# Altium PCB ThereMightBeNoise.PcbDoc (part 3 of 3)
Units mm, origin at the board's own origin, x right, y up, seen from the top; angles counter-clockwise.
Board outline 100.8 x 115.2 mm, 4 copper layers (Top Layer, Int1 (GND), Int2 (PWR), Bottom Layer), stack 1.056 mm thick; 250 components, 185 nets, 859 pads, 1257 vias.
Unrouted connection lines stored in the file: 297.
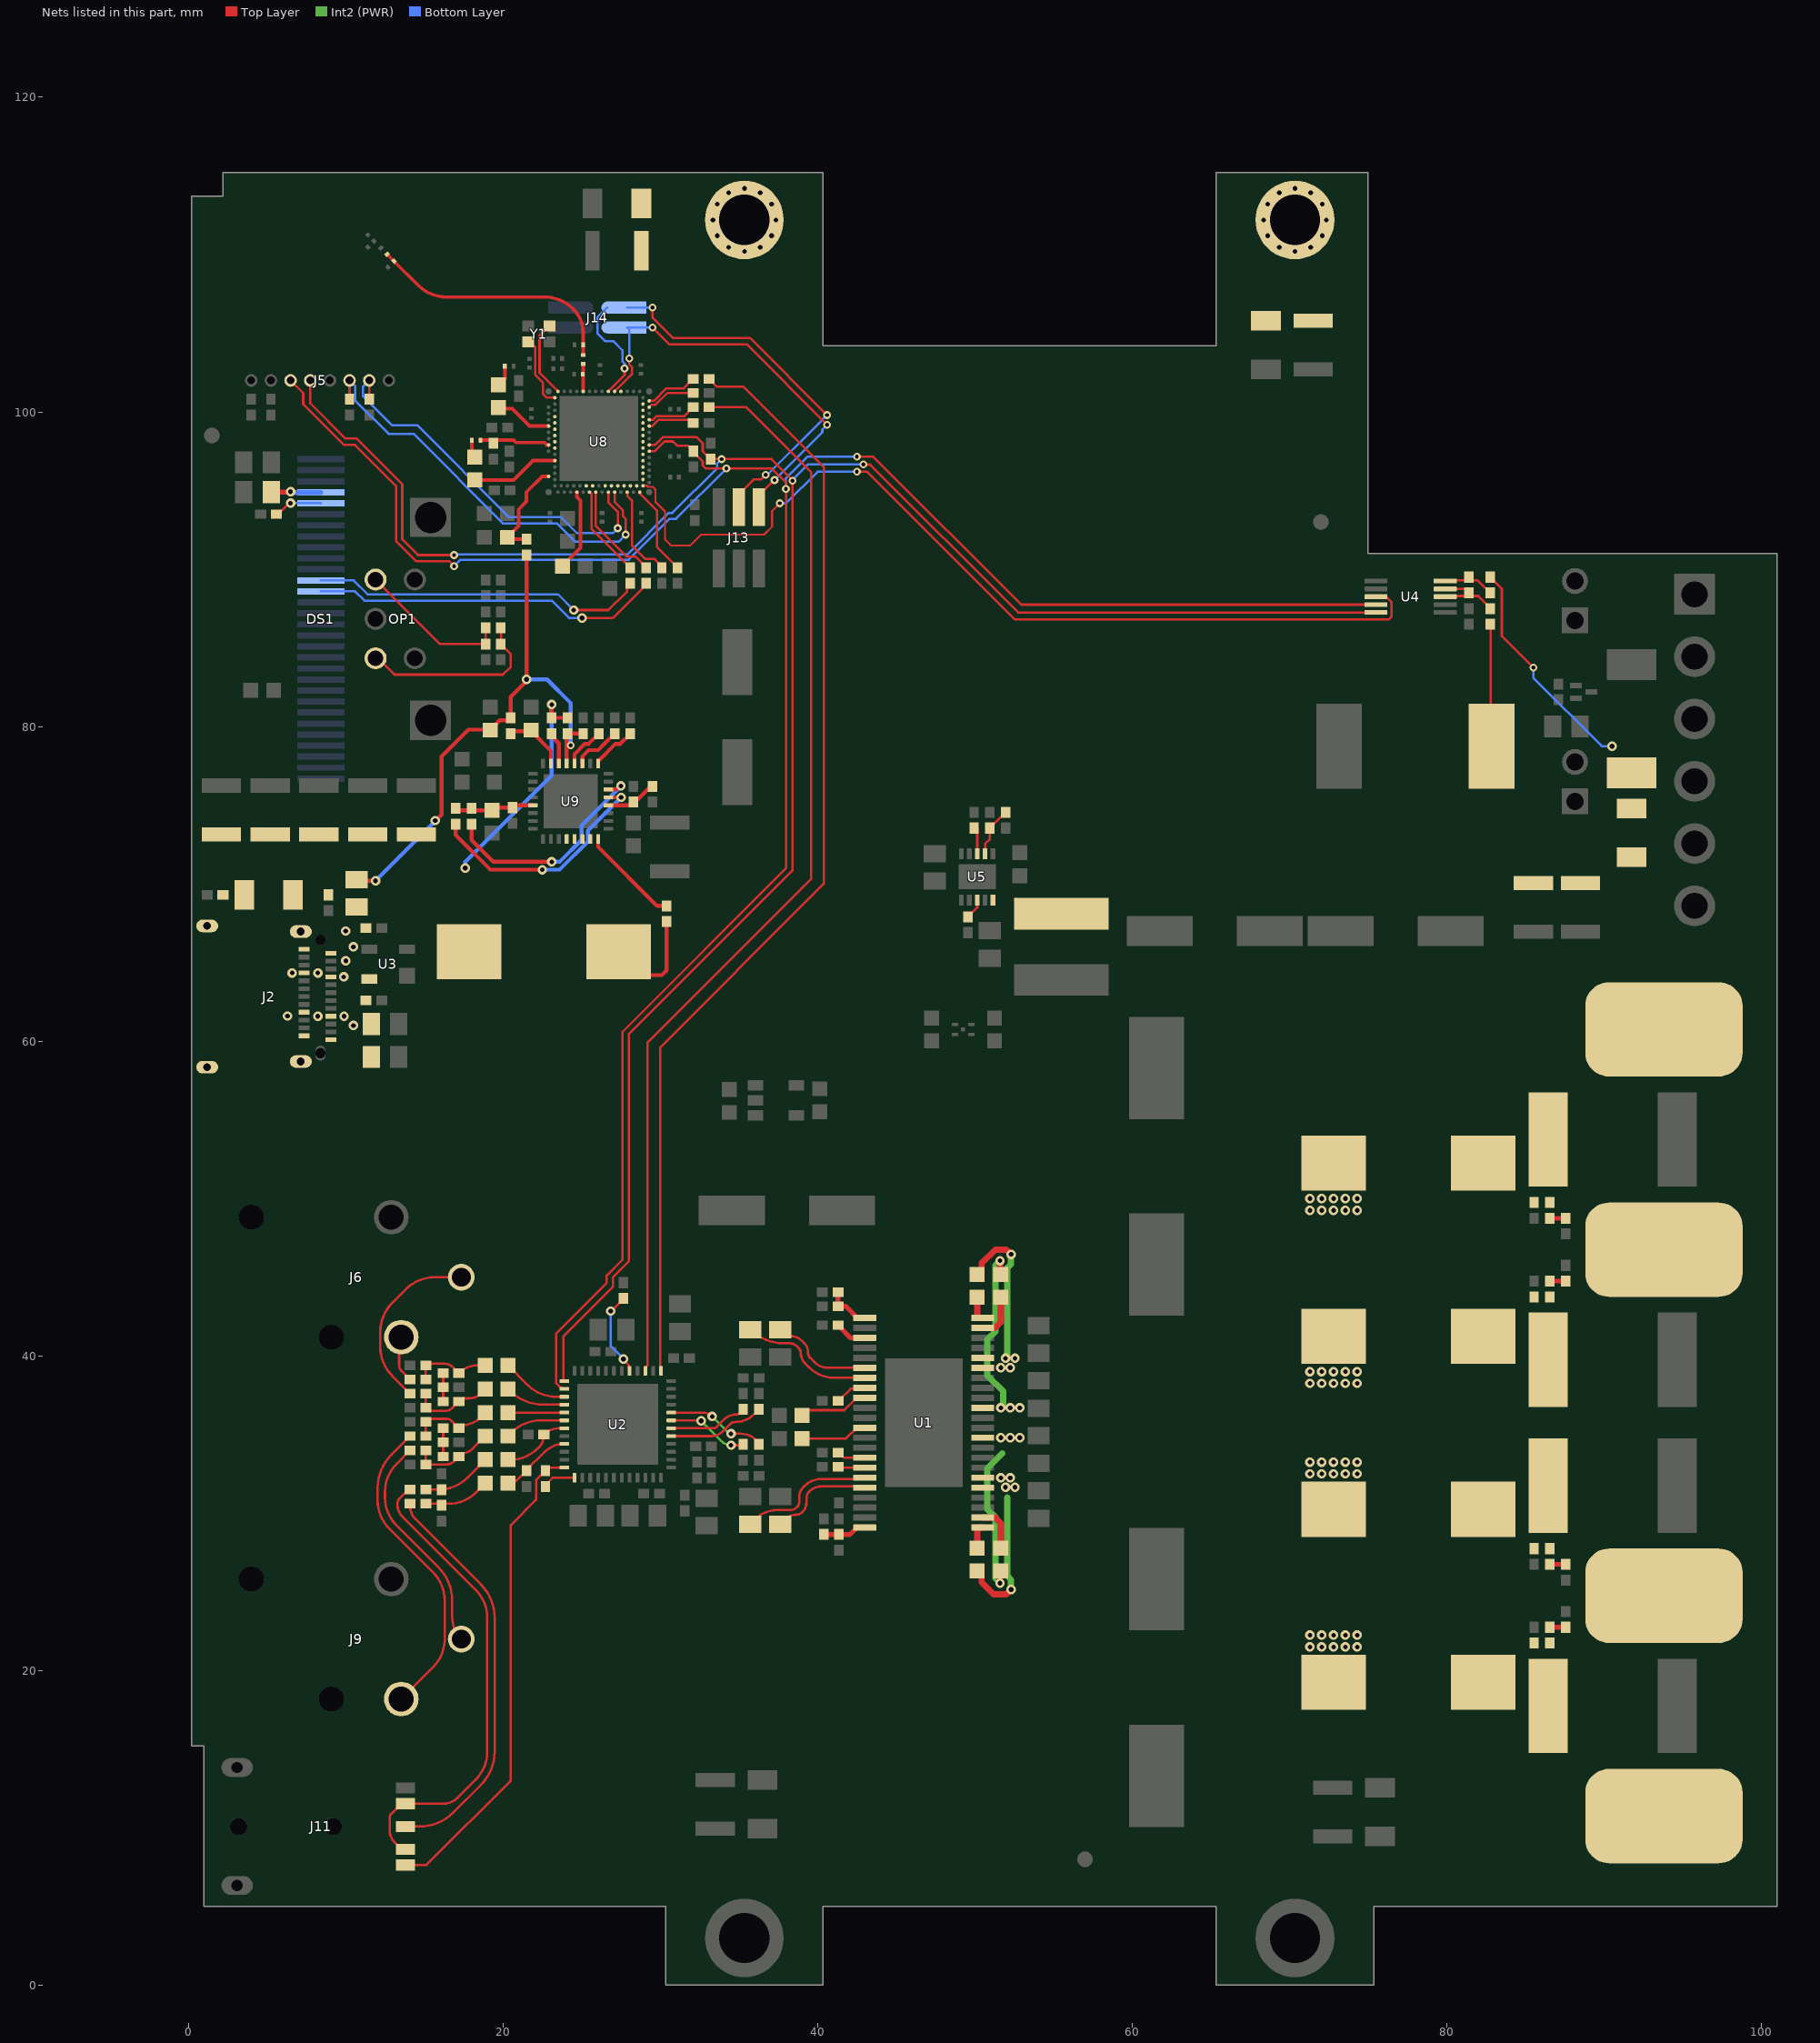
[diagram p5: the nets of this part, all layers, seen from the top]

## Via types
v1: diameter 0.6, hole 0.3, Top Layer to Bottom Layer, tented both sides, 1048 vias
v2: diameter 0.6, hole 0.3, Top Layer to Bottom Layer, 94 vias
v3: diameter 0.5, hole 0.25, Top Layer to Bottom Layer, tented both sides, 69 vias
v4: diameter 0.6, hole 0.3, Top Layer to Bottom Layer, tented top, 30 vias
v5: diameter 0.6, hole 0.3, Top Layer to Bottom Layer, tented bottom, 16 vias

## Nets (pads, with @x,y where several pads share a name; then routed paths per layer and width w, separated by ;. In a path a pad name is that pad's centre, name@x,y a point inside that pad or via, vN(x,y) a via of type N, cw(c..) or ccw(c..) an arc to the next point about the centre after c; other vN are vias at no path point) (continued)
GND_Chassis2: C69.1 pad.0@70.35,112.2 R31.1
  other v2: 70.35,110.2 69.35,110.468 71.35,110.468 68.618,111.2 72.082,111.2 68.35,112.2 72.35,112.2 68.618,113.2 72.082,113.2 69.35,113.932 71.35,113.932 70.35,114.2
GND_Chassis3: C70.1 pad.0@35.35,112.2 R32.1
  other v2: 35.35,110.2 34.35,110.468 36.35,110.468 33.618,111.2 37.082,111.2 33.35,112.2 37.35,112.2 33.618,113.2 37.082,113.2 34.35,113.932 36.35,113.932 35.35,114.2
I2C.SCL: J5.5 R48.1 U2.1 U4.5 U8.AL15 | length 151.8
  Top Layer w0.15: J5.5@7.75,102 7.75,100.55 10,98.3 10.7,98.3 13.6,95.4 13.6,91.9 14.6,90.9 v3(16.899,90.9) ; U2.1@23.9,38.4 23.85,38.45 23.85,41.25 27,44.4 27,45 28,46 28,60.434 38.4,70.834 v3(38.399,95.623) ; U8.AL15@29.3,97.9 29.675,97.9 29.857,98.082 30.175,98.4 30.875,98.4 32.3,98.4 32.7,98 32.7,97.5 R48.1@33.2,97 v3(33.9,97) 37.066,97 v3@38.4,95.666 ; v3(42.917,96.669) 42.9,96.652 42.9,96.65 43.341,96.65 52.741,87.25 U4.5@75.5,87.25
  Bottom Layer w0.15: v3(16.899,90.9) 16.949,90.95 27.921,90.95 30.546,93.575 30.775,93.575 33.6,96.4 33.6,96.7 v3(33.9,97) ; v3(38.399,95.623) v3(38.399,95.623) 38.4,95.666 39.403,96.669 v3(42.917,96.669)
I2C.SDA: J5.6 R49.1 U2.2 U4.4 U8.AL13 | length 154.4
  Top Layer w0.15: J5.6@6.5,102 7.3,101.2 7.3,100.5 9.9,97.9 10.6,97.9 13.2,95.3 13.2,91.8 14.5,90.5 16.6,90.5 ; 16.6,90.499 v3(16.899,90.2) ; U2.2@23.9,37.9 23.855,37.945 23.701,37.945 23.375,38.271 23.375,41.411 26.6,44.636 26.6,45.1 27.6,46.1 27.6,60.6 38,71 38,95.136 v3@37.985,95.152 ; U8.AL13@29.3,97.5 29.65,97.5 30.275,98.125 30.8,98.125 31.075,97.85 31.75,97.85 R49.1@32.1,97.5 32.1,97.45 32.7,96.85 32.7,96.6 32.9,96.4 v3(34.2,96.4) 37.1,96.4 37.984,95.516 v3@37.984,95.153 ; v3(42.5,97.15) 43.548,97.15 52.948,87.75 U4.4@75.5,87.75
  Bottom Layer w0.15: v3(16.899,90.2) 17.299,90.6 28,90.6 30.6,93.2 31,93.2 v3(34.2,96.4) ; v3@37.984,95.153 37.984,95.775 39.359,97.15 v3(42.5,97.15)
  other v3: 37.984,95.101
I2S.MCLK: R54.1 U2.37 | length 71.6
  Top Layer w0.15: U2.37@30.05,39.05 30,39.1 30,59.606 39.697,69.303 ; R54.1@33.1,102.1 33.6,101.6 35.294,101.6 40.4,96.494 40.4,70.006 39.697,69.303 ; 39.531,69.137 39.697,69.303
I2S.WCLK: R58.1 U2.39 | length 69.9
  Top Layer w0.15: U2.39@29.05,39.05 29.05,39.25 29.2,39.4 29.2,59.937 39.131,69.869 ; R58.1@33.1,100.3 35.463,100.3 39.6,96.163 39.6,70.337 39.131,69.869 ; 38.966,69.703 39.131,69.869
IN_L_4_N: C20.2 U1.18 | length 6.9
  Top Layer w0.15: C20.2@37.81,29.3 C20.2@37.625,29.3 37.96,29.635 cw(c38.6,28.995) 38.6,29.9 38.626,29.9 ccw(c38.626,30.476) 39.034,30.069 ccw(c38.39,30.712) 39.3,30.712 39.3,31 cw(c39.783,31) 39.441,31.341 39.5,31.4 cw(c40.236,30.664) 40.236,31.705 42.801,31.705 cw(c42.801,31.423) U1.18@43,31.623
IN_L_4_P: C16.2 U1.17 | length 8.8
  Top Layer w0.15: C16.2@35.725,29.3 36.077,29.652 cw(c37.4,28.329) 37.4,30.2 38.217,30.2 ccw(c38.217,30.883) 38.7,30.4 ccw(c38.386,30.714) 38.83,30.714 38.83,31.002 cw(c39.779,31.002) 39.108,31.673 39.169,31.733 cw(c40.235,30.667) 40.235,32.175 42.801,32.175 ccw(c42.801,32.457) U1.17@42.992,32.25 ; U1.17@42.992,32.25 ccw(c42.801,32.457) U1.17@43,32.258 U1.17@42.992,32.25
IN_R_4_N: C11.2 U1.7 | length 8.6
  Top Layer w0.15: C11.2@35.725,41.675 ccw(c37.837,43.787) 37.837,40.8 38.217,40.8 cw(c38.217,40.117) 38.7,40.6 38.81,40.49 ; 38.81,40.49 cw(c38.52,40.2) 38.93,40.2 38.93,40.199 ccw(c39.88,40.199) 39.208,39.527 39.469,39.266 ccw(c41.06,40.857) 41.06,38.608 U1.7@43,38.608 U1.7@42.968,38.575
IN_R_4_P: C8.2 U1.6 | length 6.9
  Top Layer w0.15: C8.2@37.212,41.35 38.133,41.35 cw(c38.02,41.35) 38.1,41.27 38.219,41.27 cw(c38.219,40.122) 39.031,40.934 39.144,40.82 cw(c38.527,40.203) 39.4,40.203 39.4,40.2 ccw(c39.883,40.2) 39.541,39.859 39.8,39.6 ccw(c40.663,40.463) 40.663,39.243 U1.6@43,39.243
INL: J11.2 J11.5 R23.1 | length 30.2
  Top Layer w0.15: J11.2@13.8,8.64 cw(c13.8,9.219) 13.39,8.81 13.1,9.1 cw(c13.824,9.824) 12.8,9.824 12.8,10.659 cw(c13.141,10.659) 12.9,10.9 13.356,11.356 cw(c13.8,10.912) J11.5@13.8,11.54 16.231,11.54 ccw(c16.231,12.769) 17.1,11.9 18.256,13.056 ccw(c16.46,14.852) 19,14.852 19,23.348 ccw(c16.46,23.348) 18.256,25.144 13.583,29.817 cw(c14.266,30.5) 13.3,30.5 13.3,30.659 cw(c13.641,30.659) 13.4,30.9 13.929,31.429 cw(c14.1,31.259) R23.1@14.1,31.5
INL_N: J9.3 R19.1 | length 14.7
  Top Layer w0.15: R19.1@14.1,34 13.244,33.144 ccw(c15.04,31.348) 12.5,31.348 12.5,31 ccw(c14.999,31) 13.232,29.233 15.892,26.573 cw(c13.772,24.453) 16.77,24.453 16.77,23.4 ccw(c18.75,23.4) 17.349,22.001 ccw(c18.75,23.4) J9.3@17.35,22 J9.3@17.35,22.498
INL_P: J9.2 R14.1 | length 20.2
  Top Layer w0.15: J9.2@13.535,18.19 15.556,20.211 ccw(c13.76,22.007) 16.299,21.948 cw(c17.35,22) 16.3,22.065 16.3,24.448 ccw(c13.76,24.448) 15.556,26.244 12.762,29.038 cw(c14.529,30.805) 12.03,30.805 12.03,31.583 cw(c15.04,31.583) 12.912,33.712 R14.1@14.1,34.9 R14.1@13.92,34.9
INR: J11.3 R24.1 | length 25.9
  Top Layer w0.15: J11.3@13.8,10.09 14.708,10.09 ccw(c14.708,13.1) 16.836,10.972 18.588,12.724 ccw(c16.46,14.852) 19.47,14.852 19.47,23.348 ccw(c16.46,23.348) 18.588,25.476 14.432,29.632 cw(c15.235,30.435) 14.1,30.435 R24.1@14.1,30.6
INR_N: J6.3 R13.1 | length 11.6
  Top Layer w0.15: R13.1@14.1,37.6 12.944,38.756 cw(c14.74,40.552) 12.2,40.552 12.2,41.548 cw(c14.74,41.548) 12.944,43.344 13.856,44.256 cw(c15.652,42.46) 15.652,45 J6.3@17.35,45
INR_P: J6.2 R9.1 | length 3
  Top Layer w0.15: J6.2@13.535,41.19 ccw(c13.861,40.864) 13.4,40.864 13.4,39.4 ccw(c13.883,39.4) 13.541,39.059 R9.1@14.1,38.5
LEFTLO_3_N: R25.1 U2.32 | length 6
  Top Layer w0.15: U2.32@30.7,36.4 32.696,36.4 cw(c32.696,35.546) v1(33.3,36.15) ; v1(34.5,35.05) 35.108,35.05 cw(c35.108,33.615) R25.1@36.123,34.63
  Int2 (PWR) w0.15: v1(33.3,36.15) 34.329,35.121 ccw(c34.5,35.291) v1@34.499,35.05
LEFTLO_3_P: R22.1 U2.31 | length 5.2
  Top Layer w0.148: v1@32.592,35.875 v1(32.594,35.872) ; v1(34.5,34.323) 35.223,34.323 R22.1@35.275,34.375
  Top Layer w0.15: U2.31@30.7,35.9 32.528,35.9 cw(c32.528,35.806) 32.592,35.875 cw(c32.528,35.806) v1(32.594,35.872)
  Int2 (PWR) w0.15: v1(32.594,35.872) 33.892,34.575 ccw(c34.5,35.183) v1(34.5,34.323)
LINE1L_3_N: C54.1 U2.6 | length 3.9
  Top Layer w0.15: C54.1@20.325,34.9 20.581,35.156 cw(c22.377,33.36) 22.377,35.9 U2.6@23.9,35.9
LINE1L_3_P: C50.1 U2.5 | length 3.8
  Top Layer w0.15: C50.1@20.325,36.4 U2.5@23.9,36.4 U2.5@23.677,36.4
LINE1R_3_N: C49.1 U2.4 | length 3.9
  Top Layer w0.15: C49.1@20.325,37.9 20.443,37.782 ccw(c22.572,39.91) 22.572,36.9 U2.4@23.9,36.9
LINE1R_3_P: C46.1 U2.3 | length 4.3
  Top Layer w0.15: C46.1@20.325,39.4 21.581,38.144 ccw(c23.377,39.94) 23.377,37.4 U2.3@23.9,37.4
LINE2L_3_P: C55.1 R27.2 U2.7 | length 4.4
  Top Layer w0.15: C55.1@20.325,33.4 20.448,33.4 ccw(c20.448,35.94) 22.244,34.144 22.3,34.2 ccw(c21.576,34.924) 22.6,34.924 R27.2@22.6,35 cw(c23.566,34.034) 23.566,35.4 U2.7@23.866,35.4
LINE2R_3_P: C56.1 R26.2 U2.9 | length 4.5
  Top Layer w0.15: C56.1@20.325,31.9 ccw(c20.325,32.785) 20.95,32.159 21.491,32.7 R26.2@21.5,32.7 21.5,32.75 22.62,33.87 cw(c23.9,32.589) U2.9@23.9,34.4
MIC: J11.4 R21.1 U2.12 | length 30.8
  Top Layer w0.15: J11.4@13.8,7.64 15.14,7.64 20.5,13 20.5,29.25 22.1,30.85 22.1,32.1 22.65,32.65 R21.1@22.7,32.7 ; R21.1@22.65,32.75 22.8,32.9 U2.12@23.9,32.9
MOSI: DS1.19 R51.1 | length 21.3
  Top Layer w0.15: v1(24.5,87.4) 26.7,87.4 27.9,88.6 27.9,88.9 R51.1@28.1,89.1
  Bottom Layer w0.15: DS1.19@8.425,89.291 10.509,89.291 11.4,88.4 23.5,88.4 v1(24.5,87.4)
NetC1_1: C1.1 U1.44 | length 1.6
  Top Layer w0.4: C1.1@50.25,43.65 50.15,43.55 50.15,42.418 U1.44@50.5,42.418
NetC2_1: C2.1 U1.43 | length 2.9
  Top Layer w0.4: U1.43@50.5,41.783 51.277,41.783 51.65,42.156 C2.1@51.65,43.725 C2.1@51.65,43.75
NetC3_1: C3.1 R2.2 | length 1
  Top Layer w0.3: C3.1@86.55,48.75 R2.2@87.55,48.75
NetC13_2: C13.2 R3.1 | length 1
  Top Layer w0.3: C13.2@86.55,44.75 R3.1@87.55,44.75
NetC14_1: C14.1 R4.2 | length 1
  Top Layer w0.3: C14.1@86.55,26.75 R4.2@87.55,26.75
NetC24_1: C24.1 U1.24 | length 2.8
  Top Layer w0.4: U1.24@50.5,29.718 51.277,29.718 51.65,29.344 C24.1@51.65,27.85
NetC25_2: C25.2 R5.1 | length 1
  Top Layer w0.3: C25.2@86.55,22.75 R5.1@87.55,22.75
NetC26_1: C26.1 U1.23 | length 1.7
  Top Layer w0.4: C26.1@50.15,27.75 C26.1@50.15,27.775 50.15,29.083 U1.23@50.5,29.083
NetC29_2: C29.2 R6.1 U1.22 | length 2.8
  Top Layer w0.3: R6.1@40.4,28.65 41.35,28.65 42.07,28.65 42.503,29.083 U1.22@43,29.083
NetC30_2: C30.2 R1.1 U1.1 | length 2.9
  Top Layer w0.3: R1.1@41.3,44.05 C30.2@41.3,43.15 41.8,43.15 42.533,42.418 U1.1@43,42.418
NetC31_2: C31.2 U1.3 | length 1.9
  Top Layer w0.3: C31.2@41.4,41.85 42.1,41.15 42.998,41.15 U1.3@43,41.148
NetC32_2: C32.2 U1.8 | length 2
  Top Layer w0.15: C32.2@41.3,37.15 41.35,37.15 42.115,37.915 42.943,37.915 U1.8@43,37.973
NetC33_2: C33.2 U1.9 | length 4.4
  Top Layer w0.15: C33.2@39.025,36.225 39.348,36.548 41.698,36.548 42.376,37.226 42.889,37.226 U1.9@43,37.338
NetC34_2: C34.2 U1.12 | length 4.3
  Top Layer w0.15: C34.2@39.025,34.75 41.8,34.75 42.483,35.433 U1.12@43,35.433
NetC46_2: C46.2 C47.2 R9.2 R10.2 | length 5.1
  Top Layer w0.15: R9.2@15.1,38.5 C47.2@15.1,39.4 cw(c15.341,39.158) 15.341,39.5 16.3,39.5 cw(c16.3,38.776) 16.812,39.288 R10.2@17.2,38.9 cw(c18.407,37.693) 18.407,39.4 C46.2@18.875,39.4
NetC48_1: C48.1 C49.2 R12.1 R13.2 | length 4.6
  Top Layer w0.15: C48.1@15.1,36.7 R13.2@15.1,37.6 ; C48.1@15.337,36.492 15.345,36.5 16.3,36.5 ccw(c16.3,37.224) 16.812,36.712 R12.1@17.2,37.1 17.4,37.3 17.844,37.3 ccw(c17.844,38.478) C49.2@18.677,37.645
NetC50_2: C50.2 C51.2 R14.2 R15.2 | length 5
  Top Layer w0.15: R14.2@15.1,34.9 C51.2@15.1,35.8 cw(c15.583,35.317) 15.583,36 16.4,36 cw(c16.4,35.517) 16.741,35.859 R15.2@17.2,35.4 ; R15.2@17.47,35.605 ccw(c17.47,37.076) 18.511,36.036 C50.2@18.875,36.4
NetC52_1: C52.1 C54.2 R18.1 R19.2 | length 5.2
  Top Layer w0.15: R19.2@15.1,34 15.1,33.1 16.4,33.1 ccw(c16.4,33.824) 16.912,33.312 R18.1@17.2,33.6 ; R18.1@17.356,33.796 ccw(c17.356,34.798) 18.064,34.089 C54.2@18.875,34.9 18.875,34.825 C54.2@18.9,34.8
NetC55_2: C55.2 C59.2 R23.2 | length 4.5
  Top Layer w0.15: R23.2@15.1,31.5 15.923,31.5 ccw(c15.923,34.04) 17.719,32.244 C55.2@18.875,33.4
NetC56_2: C56.2 C58.2 R24.2 | length 4.2
  Top Layer w0.15: R24.2@15.1,30.6 16.523,30.6 ccw(c16.523,33.14) 18.319,31.344 C56.2@18.875,31.9
NetC60_2: C60.2 C62.2 C63.2 FB3.1 J2.A4 J2.A9 J2.B4 J2.B9 U3.4
  other v1: 10.5,61 8.232,61.59 9.9,61.59 6.3,61.6 9.882,64.09 6.6,64.34 8.233,64.34 10.014,65.114 10.5,66 10,67
NetC73_2: C73.2 C74.2 L5.1 R33.2 R35.2 | length 5.9
  Top Layer w0.15: L5.1@82.6,80.7 82.8,80.9 R35.2@82.8,86.5
  Top Layer w0.2: R35.2@82.75,86.5 R35.2@82.8,86.5
NetC75_1: C75.1 R34.1 U4.10 | length 3.4
  Top Layer w0.15: U4.10@79.9,89.25 80.05,89.25 80.1,89.3 C75.1@81.5,89.3 ; C75.1@81.4,89.5 81.55,89.35 81.6,89.3 81.95,89.3 R34.1@82.75,88.5
NetC75_2: C75.2 R35.1 U4.8 U4.9 | length 4.8
  Top Layer w0.15: U4.8@79.9,88.25 80.35,88.25 80.4,88.3 81.2,88.3 C75.2@81.4,88.5 ; U4.9@79.9,88.75 81.25,88.75 C75.2@81.4,88.6 ; C75.2@81.5,88.3 82,88.3 82.8,87.5 R35.1@82.75,87.5
NetC87_2: C87.2 DS1.27 | length 3.2
  Top Layer w0.3: C87.2@5.275,94.9 6.5,94.9 v1(6.5,94.927)
  Bottom Layer w0.3: v1(6.5,94.927) 6.5,94.873 8.407,94.873 DS1.27@8.425,94.891
NetC89_2: C89.2 L7.1 U8.L31 | length 1.7
  Top Layer w0.225: U8.L31@25.1,101.3 25.1,102.4 L7.1@25.1,102.975
NetC97_2: C97.2 L10.1 U8.A15 | length 4.6
  Top Layer w0.225: L10.1@18.575,98.2 19.213,98.2 19.4,98.013 C97.2@19.4,98 19.6,98.2 20.68,98.2 20.828,98.052 22.646,98.052 22.798,97.9 U8.A15@22.9,97.9
NetC109_2: C109.2 R47.2 U8.A5 | length 6.5
  Top Layer w0.225: R47.2@21.5,91.9 20.4,91.9 C109.2@20.275,92.025 21,92.75 21,93.8 21.5,94.3 21.5,94.9 22.5,95.9 U8.A5@22.9,95.9
NetC116_1: C116.1 C118.2 C119.2 C120.2 C121.2 C122.2 C123.2 L13.2 R59.1 R62.2 | length 14.5
  Top Layer w0.25: v1(23.1,81.4) R62.2@23.1,80.55 C116.1@24.1,80.55
  Bottom Layer w0.25: v1(17.6,71) 17.6,71.4 23.1,76.9 v1(23.1,81.4)
NetC117_1: C117.1 U9.32 | length 6.4
  Top Layer w0.25: U9.32@26.05,72.85 26.05,72.35 29.8,68.6 C117.1@30.4,68.6
NetC117_2: C117.2 L13.1 U9.28 U9.29 U9.30 U9.31 | length 4.8
  Top Layer w0.25: L13.1@28.8,64.2 30.1,64.2 30.4,64.5 C117.2@30.4,67.6
NetC127_2: C127.2 C128.2 R63.1 R65.1 U9.21 | length 5.1
  Top Layer w0.25: R63.1@17,74.8 17.125,74.675 18,74.675 C127.2@19.3,74.675 19.475,74.85 C128.2@20.6,74.85 20.75,75 U9.21@21.9,75
NetC132_2: C132.2 R64.1 U9.15 | length 4.1
  Top Layer w0.25: R64.1@20.5,79.55 20.65,79.7 C132.2@21.8,79.7 ; C132.2@21.8,79.775 C132.2@21.8,79.7 ; C132.2@21.904,79.7 C132.2@21.8,79.7 ; U9.15@23.05,77.65 23.05,78.45 C132.2@21.8,79.7
NetDS1_26: DS1.26 R45.2 | length 3.1
  Top Layer w0.15: R45.2@5.6,93.5 5.7,93.5 6.4,94.2 v1(6.5,94.2)
  Bottom Layer w0.15: v1(6.5,94.2) 8.416,94.2 DS1.26@8.425,94.191
NetF1_2: F1.2 R33.1 R34.2 | length 14
  Top Layer w0.15: R34.2@83,89.25 83.5,88.75 83.5,85.75 v3(85.5,83.75)
  Bottom Layer w0.15: v3(85.5,83.75) 85.5,83.1 89.85,78.75 v1(90.5,78.75)
NetFB4_2: FB4.2 J2.A1 J2.A12 J2.B1 J2.B12 J2.SH1 J2.SH2 J2.SH3 J2.SH4 | length 0.1
  Top Layer w0.2: FB4.2@11.818,58.826 FB4.2@11.865,58.873
NetL6_1: L6.1 U5.10 | length 0
NetL8_2: L8.2 L9.1 | length 1.4
  Top Layer w0.225: L9.1@19.7,101.725 20.125,102.15 L8.2@20.125,102.9
NetL9_2: L9.2 U8.A21 | length 3.8
  Top Layer w0.225: L9.2@19.6,100.3 19.7,100.2 20.6,100.2 21.7,99.1 U8.A21@22.9,99.1
NetL10_2: L10.2 L11.1 | length 1.1
  Top Layer w0.225: L11.1@18.025,97.3 L10.2@18.025,98.2
  Top Layer w0.25: L11.1@18.025,97.3 L11.1@18.2,97.125
NetL11_2: L11.2 U8.B10 | length 5.6
  Top Layer w0.225: L11.2@18.2,95.675 20.674,95.675 21.8,96.801 ; 21.801,96.801 21.898,96.898 23.298,96.898 U8.B10@23.3,96.9
NetL12_2: L12.2 U8.J1 | length 5.3
  Top Layer w0.225: L12.2@23.775,90.2 24.939,91.364 24.939,92.563 24.936,92.566 24.936,93.998 24.939,94.002 24.939,94.365 24.936,94.368 24.7,94.604 U8.J1@24.7,94.9
NetOP1_A: OP1.A R42.1 R43.1 | length 9.8
  Top Layer w0.15: OP1.A@11.9,89.341 15.995,85.246 R42.1@18.9,85.246 R43.1@18.9,86.278 18.9,86.294 R43.1@18.919,86.313
NetOP1_B: OP1.B R41.1 R44.1 | length 12.2
  Top Layer w0.15: OP1.B@11.9,84.341 12.059,84.341 13.1,83.3 20,83.3 20.5,83.8 20.5,84.607 R41.1@19.861,85.246 19.88,85.265 R44.1@19.88,86.313 ; R41.1@19.64,85.184 R41.1@19.753,85.297
NetR7_2: R7.2 U1.15 | length 1.9
  Top Layer w0.15: R7.2@41.3,33.85 41.35,33.85 41.673,33.528 U1.15@43,33.528 U1.15@42.922,33.45
NetR8_2: R8.2 U1.16 | length 1.7
  Top Layer w0.15: R8.2@41.3,32.95 41.357,32.893 U1.16@43,32.893
NetR10_1: R10.1 R11.1 R12.2 | length 1.8
  Top Layer w0.15: R12.2@16.2,37.1 R10.1@16.2,38.9
NetR15_1: R15.1 R16.1 R18.2 | length 1.8
  Top Layer w0.15: R18.2@16.2,33.6 R16.1@16.2,34.5 R15.1@16.2,35.4
NetR21_2: R21.2 U2.13 | length 2.2
  Top Layer w0.15: R21.2@22.6,31.7 23.15,32.25 U2.13@24.55,32.25
NetR28_2: R28.2 U2.41 | length 5.2
  Top Layer w0.15: v1@26.95,42.95 27,42.95 27.65,43.6 R28.2@27.65,43.65 ; v1(27.659,39.8) 27.659,39.741 28.005,39.395 28.005,39.195 U2.41@28.05,39.15
  Bottom Layer w0.15: v1(26.85,42.85) 26.85,40.609 v1(27.659,39.8)
NetR37_1: R37.1 R38.2 U5.2 | length 2.7
  Top Layer w0.15: U5.2@50.701,71.9 50.65,71.951 50.65,72.55 50.95,72.85 50.95,73.15 R38.2@50.95,73.35 ; R38.2@50.901,73.325 50.901,73.375 R38.2@51.126,73.6 ; R38.2@51.196,73.8 R37.1@51.748,74.352